# Altium PCB Carrier-Board-Apalis.PcbDoc (part 4 of 5)
Units mm, origin at the board's own origin, x right, y up, seen from the top; angles counter-clockwise.
Board outline 97 x 270 mm, 4 copper layers (Top Layer, VCC, GND, Bottom Layer), stack 1.62 mm thick; 326 components, 351 nets, 1611 pads, 935 vias.
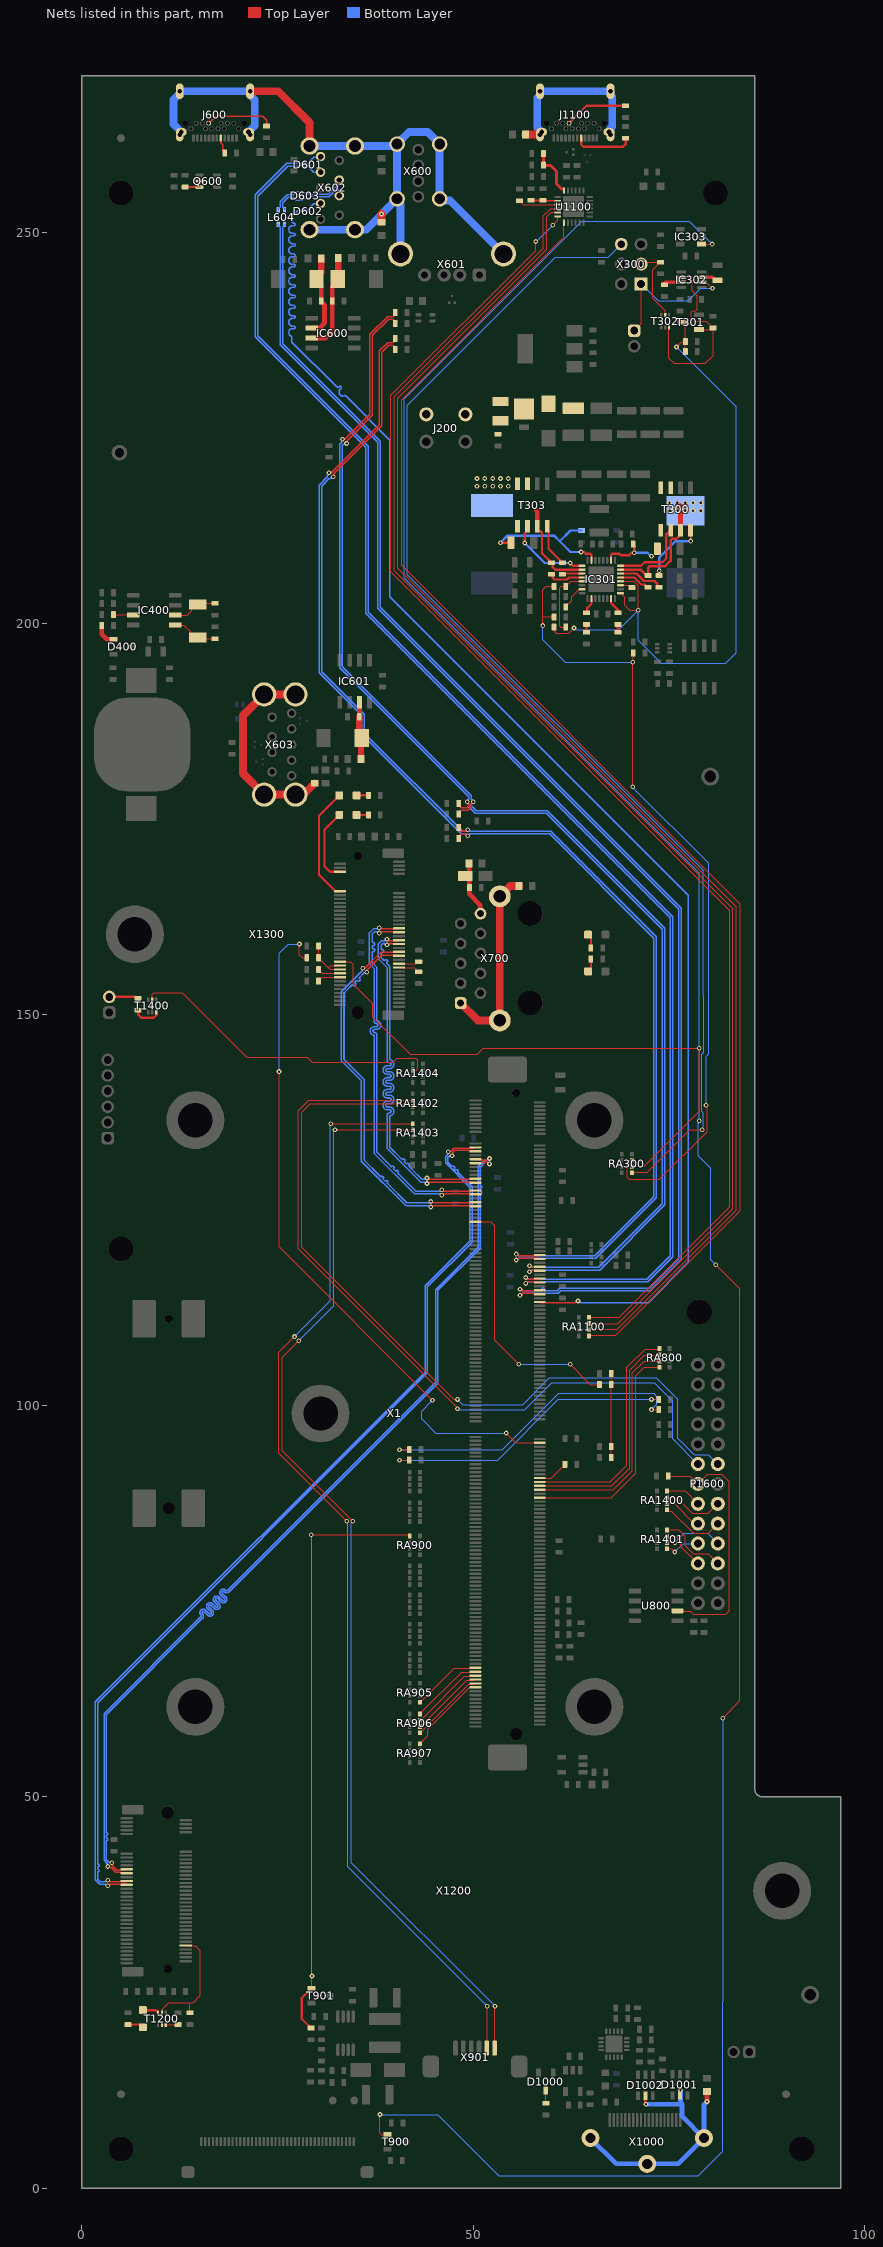
[diagram p6: the nets of this part, all layers, seen from the top]

## Via types
v1: diameter 0.6, hole 0.3, Top Layer to Bottom Layer, tented both sides, 818 vias
v2: diameter 0.6, hole 0.3, Top Layer to Bottom Layer, 117 vias

## Nets (pads, with @x,y where several pads share a name; then routed paths per layer and width w, separated by ;. In a path a pad name is that pad's centre, name@x,y a point inside that pad or via, vN(x,y) a via of type N, cw(c..) or ccw(c..) an arc to the next point about the centre after c; other vN are vias at no path point) (continued)
MXM3_291_M: RA905.1 X1.291 | length 8.9
  Top Layer w0.15: RA905.1@43.2,62.109 43.475,62.384 43.543,62.384 47.584,66.425 50.225,66.425 X1.291@50.3,66.5
MXM3_293_M: RA906.4 X1.293 | length 9.3
  Top Layer w0.15: RA906.4@43.2,60.6 48.525,65.925 50.225,65.925 X1.293@50.3,66
MXM3_295_M: RA906.3 X1.295 | length 9.5
  Top Layer w0.15: RA906.3@43.2,59.8 43.475,60.075 43.543,60.075 48.893,65.425 50.225,65.425 X1.295@50.3,65.5
MXM3_297_M: RA906.2 X1.297 | length 9.6
  Top Layer w0.15: RA906.2@43.2,59 43.475,59.275 43.543,59.275 49.193,64.925 50.225,64.925 X1.297@50.3,65
MXM3_299_M: RA906.1 X1.299 | length 9.7
  Top Layer w0.15: RA906.1@43.2,58.2 43.475,58.475 43.543,58.475 43.675,58.607 43.675,58.675 49.425,64.425 50.225,64.425 X1.299@50.3,64.5
MXM3_301_M: RA907.4 X1.301 | length 10.6
  Top Layer w0.15: RA907.4@43.2,56.8 44.2,57.8 44.2,58.618 49.582,64 X1.301@50.3,64
NetC305_1: C305.1 IC301.15 L300.1 T300.3 T300.7 T300.8 | length 16.6
  Top Layer w0.3: IC301.15@68.829,206.85 71.4,206.85 72.15,206.1 C305.1@72.374,206.1 72.374,207.124 72.55,207.3 74.544,207.3 75.244,208 75.244,210.624 75.42,210.8 76,210.8 76.364,211.164 76.364,211.75 T300.3@76.514,211.9
  Top Layer w0.6: v2(76.1,215.4) 76.514,214.986 T300.3@76.514,211.9
  other v2: 75.1,214.4 76.1,214.4 77.1,214.4 78.1,214.4 79.1,214.4 75.1,215.4 77.1,215.4 78.1,215.4 79.1,215.4
NetC305_2: C305.2 IC301.13 | length 4.1
  Top Layer w0.3: IC301.13@68.829,205.85 70.589,205.85 71.489,204.95 71.898,204.95 72.074,204.774 72.074,204.75 72.224,204.6 C305.2@72.374,204.6
NetC315_2: C315.2 R306.1 | length 1
  Top Layer w0.3: C315.2@68.5,198.85 R306.1@68.5,199.85
NetC319_1: C319.1 IC301.26 L301.1 T303.3 T303.7 T303.8 | length 12.1
  Top Layer w0.3: T303.3@58.214,212.4 58.214,211.9 58.364,211.75 58.624,211.75 58.8,211.574 58.8,208.95 C319.1@60,207.75 60.021,207.75 60.171,207.6 60.171,207.179 60.5,206.85 63.629,206.85 IC301.26@63.929,206.85
  Top Layer w0.6: 58.1,214.4 58.214,214.286 T303.3@58.214,212.4
  other v2: 50.5,217.5 51.5,217.5 52.5,217.5 53.5,217.5 54.5,217.5 50.5,218.5 51.5,218.5 52.5,218.5 53.5,218.5 54.5,218.5
NetC319_2: C319.2 IC301.28 | length 4.5
  Top Layer w0.3: C319.2@60,206.25 60.046,206.25 60.196,206.1 60.196,205.775 60.372,205.6 62,205.6 62.25,205.85 IC301.28@63.929,205.85
NetC320_2: C320.2 IC302.3 | length 2.1
  Top Layer w0.4: IC302.3@79.245,244.225 80.56,244.225 80.935,243.85 C320.2@81.235,243.85
NetC321_1: C321.1 IC302.7 | length 2.2
  Top Layer w0.4: C321.1@74.435,243.45 74.56,243.575 IC302.7@76.625,243.575
NetC326_2: C326.2 R318.1 | length 1
  Top Layer w0.3: C326.2@64.5,198.85 R318.1@64.5,199.85
NetC400_1: C400.1 IC400.1 OSC400.2 | length 5.9
  Top Layer w0.15: IC400.1@11.95,199.773 13.021,199.773 13.83,198.964 13.83,198.761 14.405,198.186 OSC400.2@14.82,198.186 14.97,198.036 C400.1@17.02,198.036
NetC401_1: C401.1 IC400.2 OSC400.1 | length 5.8
  Top Layer w0.15: IC400.2@11.95,201.043 13.477,201.043 14.033,201.599 14.033,201.811 14.608,202.386 OSC400.1@14.82,202.386 14.97,202.536 C401.1@17.02,202.536
NetC600_2: C600.2 C601.1 IC600.7 L602.1 | length 12.7
  Top Layer w0.6: IC600.7@29.386,236.46 31.122,236.46 32,237.338 C600.2@32,241.2 32,243.05 32.7,243.75 C601.1@32.7,244
  Top Layer w0.8: C601.1@32.7,244 32.77,244.07 L602.1@32.77,246.7
NetC603_2: C603.2 C604.1 IC600.6 L603.1 | length 10.8
  Top Layer w0.6: IC600.6@29.386,237.73 30.388,237.73 31,238.342 31,240.699 30.649,241.05 30.6,241.05 C603.2@30.6,241.2 30.6,243.4 C604.1@30,244
  Top Layer w0.8: C604.1@30,244 30,244.25 30.59,244.84 L603.1@30.59,246.6
NetC606_2: C606.2 C607.1 IC601.7 L607.1 | length 7.4
  Top Layer w0.6: C607.1@35.485,185.636 C607.1@35.771,185.35 ; C606.2@35.485,188.05 IC601.7@35.485,189.9
  Top Layer w0.8: C606.2@35.45,188.05 35.45,185.671 C607.1@35.485,185.636 ; L607.1@35.661,182.65 35.661,185.24 C607.1@35.771,185.35
NetC702_1: C702.1 C703.2 L700.2 X700.P10 | length 7
  Top Layer w0.6: L700.2@49.46,169.278 49.5,169.238 49.5,165.4 50.917,163.983 50.917,162.915 X700.P10@50.95,162.882
NetC1100_2: C1100.2 C1101.2 U1100.6 | length 6.2
  Top Layer w0.4: C1100.2@58.999,258.475 59.034,258.51 59.909,258.51 60.659,257.76 60.659,256.15 61.309,255.5 U1100.6@61.534,255.5 ; C1100.2@58.999,258.553 C1101.2@58.999,260.026
NetC1400_2: C1400.2 R1401.2 R1402.1 R1403.2 | length 10.7
  Top Layer w0.15: C1400.2@67.65,93.4 R1403.2@67.65,94.8 R1402.1@67.65,102.7 R1401.2@67.65,104.1
NetD201_1: D201.1 D202.1 F200.2 L200.1
NetD400_1: D400.1 R400.1 | length 2.9
  Top Layer w0.6: R400.1@2.55,199.7 2.55,198.586 3.186,197.95 D400.1@4.05,197.95
NetD700_C: D700.C R700.2 | length 1.7
  Top Layer w0.25: D700.C@64.7,155.5 65.05,155.85 R700.2@65.05,157.1
NetD701_C: D701.C R701.2 | length 1.8
  Top Layer w0.25: D701.C@64.7,160.2 65.05,159.85 R701.2@65.05,158.5
NetD1000_3: D1000.3 R1005.2 | length 1.6
  Top Layer w0.15: R1005.2@59.3,10.843 D1000.3@59.3,12.465
NetD1200_A: D1200.A R1200.2 | length 2
  Top Layer w0.3: R1200.2@5.895,20.9 7.45,20.9 D1200.A@7.8,20.55
NetD1300_A: D1300.A R1300.2 | length 1.5
  Top Layer w0.3: D1300.A@35.1,175.5 R1300.2@36.635,175.5
NetD1300_C: D1300.C X1300.6 | length 9.6
  Top Layer w0.3: D1300.C@32.9,175.5 31,173.6 31,168.948 31.7,168.248 32.329,168.248 32.331,168.25 X1300.6@33,168.25
NetD1301_A: D1301.A R1301.2 | length 1.5
  Top Layer w0.3: D1301.A@35.1,178 R1301.2@36.635,178
NetD1301_C: D1301.C X1300.16 | length 14.8
  Top Layer w0.3: D1301.C@32.9,178 30.3,175.4 30.3,167.85 32.375,165.775 32.375,165.75 X1300.16@33,165.75
NetIC301_2: IC301.2 R318.2 | length 2.1
  Top Layer w0.3: R318.2@64.5,201.35 64.574,201.424 64.574,201.924 65.129,202.479 IC301.2@65.129,203.15
NetIC301_7: IC301.7 R306.2 | length 2.2
  Top Layer w0.3: IC301.7@67.629,203.15 67.629,202.601 68.469,201.761 68.469,201.35 R306.2@68.5,201.35
NetIC301_11: IC301.11 R302.1 | length 1.6
  Top Layer w0.15: IC301.11@68.829,204.85 69.95,204.85 70.2,204.6 R302.1@70.35,204.6
NetIC301_14: IC301.14 R300.1 | length 5.9
  Top Layer w0.3: IC301.14@68.829,206.35 70.9,206.35 71.85,205.4 73.2,205.4 73.516,205.084 73.516,204.75 73.666,204.6 R300.1@73.774,204.6
NetIC301_16: IC301.16 T300.2 | length 10.1
  Top Layer w0.3: IC301.16@68.829,207.35 71.45,207.35 71.9,207.8 74.2,207.8 74.7,208.3 74.7,211.355 T300.2@75.244,211.9
NetIC301_18: IC301.18 R305.1 R308.1 T300.1 | length 7.5
  Top Layer w0.3: IC301.18@67.629,208.05 67.629,208.724 67.805,208.9 68.64,208.9 68.85,208.69 69.948,208.69 70.258,209 v1(70.589,209) 70.589,209.96 R308.1@70.45,210.1 ; R305.1@73.55,209.54 R305.1@73.6,209.49
  Bottom Layer w0.3: v1(70.589,209) 72.295,209 72.719,208.576 v1(72.8,208.576)
NetIC301_23: IC301.23 R317.1 R319.1 T303.1 | length 18.4
  Top Layer w0.3: v1(53.5,210.3) R317.1@54.85,210.3 ; v1(63.8,209.1) 64.2,209.1 64.403,208.897 64.954,208.897 65.129,208.722 IC301.23@65.129,208.05
  Bottom Layer w0.3: v1(53.5,210.3) 54.4,211.2 60.35,211.2 61.075,210.475 ; v1(63.8,209.1) 62.45,209.1 62.1,209.45 61.075,210.475 ; R319.1@63.879,211.85 62.45,211.85 61.075,210.475
NetIC301_25: IC301.25 T303.2 | length 10.8
  Top Layer w0.3: v1(56.6,210.25) 56.6,211.5 56.944,211.844 T303.2@56.944,212.4 ; v1(62.4,207.7) 62.75,207.35 IC301.25@63.929,207.35
  Bottom Layer w0.3: v1(56.6,210.25) 59.15,207.7 v1(62.4,207.7)
NetIC301_27: IC301.27 R312.1 | length 2.6
  Top Layer w0.3: R312.1@61.4,206.25 61.5,206.35 IC301.27@63.929,206.35
NetIC301_31: IC301.31 R303.2 | length 3.4
  Top Layer w0.15: R303.2@61.85,202.1 61.85,202.237 62.075,202.462 62.212,202.462 62.6,202.85 62.6,203.4 63.55,204.35 IC301.31@63.929,204.35
NetIC400_7: IC400.7 R405.1 | length 2.5
  Top Layer w0.15: R405.1@4.05,201.1 6.493,201.1 IC400.7@6.55,201.043
NetJ600_A5: J600.A5 R609.2 | length 2.1
  Top Layer w0.16: J600.A5@17.75,261.995 17.75,261.44 18.03,261.16 18.03,260.463 18.25,260.243 R609.2@18.25,260.1
NetJ600_B5: J600.B5 R610.2 | length 8.7
  Top Layer w0.16: J600.B5@16.2,263.9 17.1,264.8 23.1,264.8 23.6,264.3 R610.2@23.6,263.545
NetJ1100_A5: J1100.A5 R1105.2 | length 7.5
  Top Layer w0.3: J1100.A5@63.809,261.995 63.809,261.2 64.109,260.9 69.16,260.9 69.5,261.24 R1105.2@69.5,261.995
NetJ1100_B5: J1100.B5 R1106.2 | length 8.2
  Top Layer w0.3: J1100.B5@62.259,263.9 64.509,266.15 R1106.2@69.5,266.15
NetJ1100_S: J1100.S L1100.2 | length 22.6
  Top Layer w0.6: L1100.2@56.659,262.485 L1100.2@56.699,262.445
  Top Layer w1: L1100.2@56.659,262.485 58.249,262.485 58.559,262.795 J1100.S@58.759,262.795
  Bottom Layer w1: J1100.S@58.759,262.795 58.559,262.795 58.559,262.995 58.2,263.354 58.2,267.141 58.559,267.5 J1100.S@58.559,268 J1100.S@67.559,268 67.559,267.5 67.784,267.275 67.784,263.486 67.559,263.261 67.559,262.795 J1100.S@67.359,262.795
NetJ1400_2: J1400.2 R1400.2 | length 3.8
  Top Layer w0.3: J1400.2@3.5,152.25 6.842,152.25 7.042,152.05 R1400.2@7.192,152.05
NetQ600_5: Q600.5 Q600.6 R606.1 | length 2.6
  Top Layer w0.3: R606.1@13.2,255.75 Q600.6@15.05,255.75 Q600.5@15.05,256.5
NetR300_2: R300.2 T300.4 | length 8.6
  Top Layer w0.3: R300.2@73.774,206.1 73.787,206.113 73.787,206.687 v1(73.8,206.7) ; T300.4@77.784,211.9 77.784,210.516 v1(77.8,210.5)
  Bottom Layer w0.3: v1(73.8,206.7) 73.8,208.4 75.9,210.5 v1(77.8,210.5)
NetR312_2: R312.2 T303.4 | length 5.4
  Top Layer w0.3: T303.4@59.484,212.4 59.484,211.982 59.634,211.832 59.634,209.515 R312.2@61.4,207.75
NetR800_1: R800.1 X1.194 | length 4.1
  Top Layer w0.15: X1.194@58.5,90.75 60,90.75 61.388,92.138 61.525,92.138 61.75,92.363 R800.1@61.75,92.5
NetR803_2: R803.2 R1500.2 | length 37.6
  Top Layer w0.15: v1(40.6,93.04) R1500.2@41.85,93.04 ; v1(72.8,100.8) R803.2@73.735,100.8
  Bottom Layer w0.15: v1(40.6,93.04) 53.133,93.04 60.893,100.8 v1(72.8,100.8)
NetR804_2: R804.2 R1501.2 | length 40.2
  Top Layer w0.15: v1(40.6,94.37) R1501.2@41.85,94.37 ; v1(72.8,99.5) R804.2@73.72,99.5 R804.2@73.735,99.5
  Bottom Layer w0.15: v1(40.6,94.37) 53.744,94.37 60.938,101.564 73.095,101.564 73.5,101.16 73.5,100.2 v1(72.8,99.5)
NetR1100_1: R1100.1 R1101.2 U1100.8 | length 3.4
  Top Layer w0.25: R1101.2@57.418,254.05 R1100.1@58.918,254.05 58.968,254 U1100.8@60.809,254
NetR1102_1: R1102.1 U1100.9 | length 5.2
  Top Layer w0.15: R1102.1@55.918,254 56.055,254 56.28,253.775 56.28,253.638 56.418,253.5 U1100.9@60.809,253.5
NetR1304_2: R1304.2 X1300.53 | length 2.6
  Top Layer w0.15: X1300.53@40.55,156.5 42.65,156.5 42.9,156.75 R1304.2@43.05,156.75
NetR1400_1: R1400.1 T1400.6 | length 3.8
  Top Layer w0.3: R1400.1@7.192,150.55 7.192,149.976 7.6,149.568 9.168,149.568 9.5,149.9 T1400.6@9.5,150.51
NetRA800_1: RA800.1 X1.196 | length 29.7
  Top Layer w0.15: X1.196@58.5,90.25 67.522,90.25 69.635,92.363 69.635,104.886 71.974,107.225 73.74,107.225 RA800.1@73.815,107.3
NetRA800_2: RA800.2 X1.198 | length 29.6
  Top Layer w0.15: X1.198@58.5,89.75 67.729,89.75 69.989,92.009 69.989,104.533 71.881,106.425 73.74,106.425 RA800.2@73.815,106.5
NetRA800_3: RA800.3 X1.200 | length 29.5
  Top Layer w0.15: X1.200@58.5,89.25 67.936,89.25 70.342,91.656 70.342,104.179 71.863,105.7 RA800.3@73.815,105.7
NetRA800_4: RA800.4 X1.204 | length 29.5
  Top Layer w0.15: X1.204@58.5,88.25 67.686,88.25 70.8,91.364 70.8,103.8 71.9,104.9 RA800.4@73.815,104.9
PCIE1_CLK_N: X1.53 X1300.49 | length 49.6
  Top Layer w0.198: v1(36.4,155.407) 36.477,155.484 36.477,155.726 38.322,157.571 39.678,157.571 39.698,157.551 40.499,157.551 X1300.49@40.55,157.5 ; v1(44.6,126.1) 44.709,126.1 44.88,125.929 46.402,125.929 49.409,125.929 49.429,125.949 50.249,125.949 X1.53@50.3,126
  Bottom Layer w0.198: v1(36.4,155.407) 36.323,155.33 36.081,155.33 35.551,154.8 35.494,154.743 ccw(c35.577,154.66) 35.494,154.577 cw(c35.354,154.437) 35.494,154.297 cw(c35.354,154.437) 35.214,154.297 ccw(c35.131,154.214) 35.048,154.297 34.934,154.183 ccw(c35.017,154.1) 34.934,154.017 cw(c34.794,153.877) 34.934,153.737 cw(c34.794,153.877) 34.654,153.737 ccw(c34.571,153.654) 34.488,153.737 34.291,153.54 34.075,153.325 33.5,152.749 33.5,144.265 36.058,141.707 36.058,131.398 38.056,129.4 38.196,129.26 38.208,129.272 cw(c38.348,129.132) 38.488,129.272 cw(c38.348,129.132) 38.488,128.992 38.476,128.98 38.756,128.7 38.768,128.712 cw(c38.908,128.572) 39.048,128.712 cw(c38.908,128.572) 39.048,128.432 39.036,128.42 39.178,128.278 41.527,125.929 44.32,125.929 44.491,126.1 v1(44.6,126.1)
PCIE1_CLK_P: X1.55 X1300.47 | length 49.5
  Top Layer w0.198: v1(35.905,155.902) 35.982,155.979 36.224,155.979 38.174,157.929 39.678,157.929 39.698,157.949 40.499,157.949 X1300.47@40.55,158 ; v1(44.6,125.4) 44.709,125.4 44.88,125.571 46.253,125.571 49.409,125.571 49.429,125.551 50.249,125.551 X1.55@50.3,125.5
  Bottom Layer w0.198: v1(35.905,155.902) 35.828,155.825 35.828,155.583 33.142,152.897 33.142,144.117 35.7,141.559 35.7,131.25 41.379,125.571 44.32,125.571 44.491,125.4 v1(44.6,125.4)
PCIE1_RX_N: X1.41 X1300.43 | length 49.1
  Top Layer w0.198: v1(39,158.9) 39.109,158.9 39.28,159.071 39.678,159.071 39.698,159.051 40.499,159.051 X1300.43@40.55,159 ; v1(44.1,129.1) 44.209,129.1 44.38,128.929 49.409,128.929 49.429,128.949 50.249,128.949 X1.41@50.3,129
  Bottom Layer w0.198: v1(39,158.9) 38.891,158.9 38.72,159.071 38.435,159.071 38.258,158.894 38.258,158.5 38.258,158.42 ccw(c38.376,158.42) 38.376,158.302 cw(c38.376,158.104) 38.574,158.104 cw(c38.376,158.104) 38.376,157.906 ccw(c38.376,157.788) 38.258,157.788 38.258,157.51 38.258,157.242 38.3,157.2 38.5,157 38.557,156.943 ccw(c38.64,157.026) 38.723,156.943 cw(c38.863,156.803) 39.003,156.943 cw(c38.863,156.803) 39.003,156.663 ccw(c39.086,156.58) 39.003,156.497 39.15,156.35 39.358,156.142 39.358,144.201 cw(c39.318,143.646) 39.874,143.646 cw(c39.318,143.646) 39.318,143.09 39.04,143.09 ccw(c39.04,142.892) 39.04,142.694 39.318,142.694 cw(c39.318,142.138) 39.874,142.138 cw(c39.318,142.138) 39.318,141.582 39.04,141.582 ccw(c39.04,141.384) 39.04,141.186 39.318,141.186 cw(c39.318,140.63) 39.874,140.63 cw(c39.318,140.63) 39.318,140.074 39.04,140.074 ccw(c39.04,139.876) 39.04,139.678 39.318,139.678 cw(c39.318,139.122) 39.874,139.122 cw(c39.318,139.122) 39.318,138.566 39.04,138.566 ccw(c39.04,138.368) 39.04,138.17 39.318,138.17 cw(c39.318,137.614) 39.874,137.614 cw(c39.318,137.614) 39.358,137.06 39.358,133.04 40.8,131.598 40.94,131.458 40.952,131.471 cw(c41.092,131.331) 41.232,131.471 cw(c41.092,131.331) 41.232,131.191 41.22,131.178 41.5,130.898 41.512,130.911 cw(c41.652,130.771) 41.792,130.911 cw(c41.652,130.771) 41.792,130.631 41.78,130.618 42.06,130.338 42.2,130.198 43.469,128.929 43.82,128.929 43.991,129.1 v1(44.1,129.1)
PCIE1_RX_P: X1.43 X1300.41 | length 49.1
  Top Layer w0.198: v1(39,159.6) 39.109,159.6 39.28,159.429 39.678,159.429 39.698,159.449 40.499,159.449 X1300.41@40.55,159.5 ; v1(44.1,128.4) 44.209,128.4 44.38,128.571 49.409,128.571 49.429,128.551 50.249,128.551 X1.43@50.3,128.5
  Bottom Layer w0.198: v1(39,159.6) 38.891,159.6 38.72,159.429 38.287,159.429 37.9,159.042 37.9,157.094 39,155.994 39,144.162 ccw(c39.318,144.162) 39.318,143.844 cw(c39.318,143.646) 39.516,143.646 cw(c39.318,143.646) 39.318,143.448 39.04,143.448 ccw(c39.04,142.892) 39.04,142.336 39.318,142.336 cw(c39.318,142.138) 39.516,142.138 cw(c39.318,142.138) 39.318,141.94 39.04,141.94 ccw(c39.04,141.384) 39.04,140.828 39.318,140.828 cw(c39.318,140.63) 39.516,140.63 cw(c39.318,140.63) 39.318,140.432 39.04,140.432 ccw(c39.04,139.876) 39.04,139.32 39.318,139.32 cw(c39.318,139.122) 39.516,139.122 cw(c39.318,139.122) 39.318,138.924 39.04,138.924 ccw(c39.04,138.368) 39.04,137.812 39.318,137.812 cw(c39.318,137.614) 39.516,137.614 cw(c39.318,137.614) 39.318,137.416 ccw(c39.318,137.099) 39,137.099 39,132.892 43.321,128.571 43.82,128.571 43.991,128.4 v1(44.1,128.4)
PCIE1_SMCLK: R1307.2 X1300.60 | length 3
  Top Layer w0.15: R1307.2@30.25,154.25 30.25,154.387 30.475,154.612 30.612,154.612 30.75,154.75 X1300.60@33,154.75
PCIE1_SMDAT: R1306.2 X1300.58 | length 3
  Top Layer w0.15: R1306.2@30.25,155.75 30.25,155.613 30.475,155.388 30.612,155.388 30.75,155.25 X1300.58@33,155.25
PCIE1_TX_N: X1.47 X1300.37 | length 49.2
  Top Layer w0.198: v1(38,160.4) 38.109,160.4 38.28,160.571 38.818,160.571 39.678,160.571 39.698,160.551 40.499,160.551 X1300.37@40.55,160.5 ; v1(46,127.6) 46.109,127.6 46.28,127.429 49.409,127.429 49.429,127.449 50.249,127.449 X1.47@50.3,127.5
  Bottom Layer w0.198: v1(38,160.4) 37.891,160.4 37.72,160.571 37.403,160.571 37.1,160.268 37.1,159.4 37.1,159.32 ccw(c37.218,159.32) 37.218,159.202 cw(c37.218,159.004) 37.416,159.004 cw(c37.218,159.004) 37.218,158.806 ccw(c37.218,158.688) 37.1,158.688 37.1,158.528 ccw(c37.218,158.528) 37.218,158.41 cw(c37.218,158.212) 37.416,158.212 cw(c37.218,158.212) 37.218,158.014 ccw(c37.218,157.896) 37.1,157.896 37.1,157.618 37.1,157.5 37.1,156.609 37.7,156.009 37.7,149.199 cw(c37.644,148.646) 38.2,148.646 cw(c37.644,148.646) 37.644,148.09 37.398,148.09 ccw(c37.398,147.892) 37.398,147.694 cw(c37.398,147.392) 37.7,147.392 37.7,132.391 39.4,130.691 39.54,130.551 39.552,130.563 cw(c39.692,130.423) 39.832,130.563 cw(c39.692,130.423) 39.832,130.283 39.82,130.271 40.1,129.991 40.112,130.003 cw(c40.252,129.863) 40.392,130.003 cw(c40.252,129.863) 40.392,129.723 40.38,129.711 40.545,129.545 42.662,127.429 45.72,127.429 45.891,127.6 v1(46,127.6)
PCIE1_TX_P: X1.49 X1300.35 | length 49.1
  Top Layer w0.198: v1(38,161.1) 38.109,161.1 38.28,160.929 38.966,160.929 39.678,160.929 39.698,160.949 40.499,160.949 X1300.35@40.55,161 ; v1(46,126.9) 46.109,126.9 46.28,127.071 49.409,127.071 49.429,127.051 50.249,127.051 X1.49@50.3,127
  Bottom Layer w0.198: v1(38,161.1) 37.891,161.1 37.72,160.929 37.255,160.929 36.742,160.416 36.742,156.461 37.342,155.861 37.342,149.146 ccw(c37.644,149.146) 37.644,148.844 cw(c37.644,148.646) 37.842,148.646 cw(c37.644,148.646) 37.644,148.448 37.398,148.448 ccw(c37.398,147.892) 37.342,147.339 37.342,132.242 42.513,127.071 45.72,127.071 45.891,126.9 v1(46,126.9)
PCIE1_WAKE#: R1305.2 X1300.55 | length 2.8
  Top Layer w0.15: X1300.55@40.55,156 42.5,156 42.688,155.812 42.688,155.675 42.913,155.45 R1305.2@43.05,155.45
PCIE1_WDISABLE#: R1302.1 R1303.1 X1300.54 X1300.56 | length 6.6
  Top Layer w0.15: R1302.1@30.25,158.75 R1303.1@30.25,157.25 30.25,157.113 30.475,156.888 30.612,156.888 31.5,156 ; X1300.56@33,155.75 31.75,155.75 31.5,156 ; X1300.54@33,156.25 31.75,156.25 31.5,156
PCIE1_WDISABLE#_R: R1303.2 X1.176 | length 90.1
  Top Layer w0.125: v1(25.2,142.7) 25.2,120.3 v1(44.8,100.7) ; v1(27.8,159) 27.8,157.65 28.2,157.25 R1303.2@28.75,157.25 ; v1(54.227,96.5) 54.227,96.473 55.45,95.25 X1.176@58.5,95.25
  Bottom Layer w0.125: v1(25.2,142.7) 25.2,157.8 26.4,159 v1(27.8,159) ; v1(44.8,100.7) 44.8,100.679 43.421,99.3 43.421,98.3 45.221,96.5 v1(54.227,96.5)
PMIC_EN: C313.2 IC301.9 IC301.12 R304.2 R310.1 T301.3 | length 88.1
  Top Layer w0.15: R310.1@60.35,199.5 60.437,199.413 60.437,198.913 60.65,198.7 62.2,198.7 v1(62.9,199.4) ; IC301.9@68.829,203.85 69.036,203.85 69.105,203.78 69.105,203.595 69.4,203.3 69.4,202.3 70.024,201.676 v1(71.1,201.676) 71.1,204.784 70.534,205.35 IC301.12@68.829,205.35 ; v1(76,235.3) 76.685,235.985 R304.2@77.135,235.985 ; C313.2@77.135,234.735 R304.2@77.135,235.985 ; T301.3@77.135,238.484 R304.2@77.135,235.985
  Top Layer w0.6: T301.3@76.785,238.484 T301.3@77.135,238.484
  Bottom Layer w0.15: v1(62.9,199.4) 63.1,199.2 68.624,199.2 v1(71.1,201.676) 71.1,197.825 74.031,194.894 82.269,194.894 83.6,196.225 83.6,227.7 v1(76,235.3)
PMIC_EN_5V: IC301.29 R310.2 R311.2 | length 9
  Top Layer w0.15: R310.2@61.85,199.5 61.19,199.5 61.1,199.59 61.1,204.54 61.26,204.7 R311.2@61.85,204.7 61.85,204.837 62.075,205.062 62.212,205.062 62.5,205.35 IC301.29@63.929,205.35
POWER_ENABLE_MOCI: R311.1 R323.1 R326.2 RA300.6 | length 103.2
  Top Layer w0.15: v1(58.9,199.7) 58.9,200.8 ; R326.2@60.35,200.8 58.9,200.8 ; R311.1@60.35,204.7 60.3,204.75 59.35,204.75 58.9,204.3 58.9,200.8 ; RA300.6@70.375,131.426 RA300.6@70.3,131.351 70.262,131.313 69.913,131.313 69.7,131.1 69.7,129.194 69.979,128.915 73.815,128.915 79.9,135 79.9,138.087 79.861,138.126 79.861,138.276 v1@79.775,138.362 ; v1(70.4,179.1) v1(70.4,195) 70.471,195.071 R323.1@70.471,196.21
  Bottom Layer w0.15: v1(58.9,199.7) 58.9,197.9 61.8,195 v1(70.4,195) ; v1(70.4,179.1) 70.4,178.999 80.1,169.299 80.1,145 79.775,144.675 v1(79.775,138.4)
PS_A12V_EN: P1600.15 RA1400.5 | length 4.6
  Top Layer w0.15: RA1400.5@74.8,89.1 77.09,89.1 P1600.15@78.73,87.46
PS_A+3.3V_EN: P1600.16 RA1400.6 | length 7.8
  Top Layer w0.15: RA1400.6@74.8,88.3 75.955,88.3 78.005,86.25 80.06,86.25 P1600.16@81.27,87.46
PS_A+3.3V_PG: P1600.21 RA1401.6 | length 5.8
  Top Layer w0.15: RA1401.6@74.8,83.321 75.929,83.321 76.53,82.72 76.53,82 78.69,79.84 P1600.21@78.73,79.84
PS_A+5V_EN: P1600.17 RA1400.7 | length 5
  Top Layer w0.15: RA1400.7@74.8,87.5 75.7,87.5 78.28,84.92 P1600.17@78.73,84.92
PS_A+5V_PG: P1600.20 RA1401.7 | length 7.5
  Top Layer w0.15: RA1401.7@74.8,82.521 75.779,82.521 v1(75.8,82.5)
  Bottom Layer w0.15: v1(75.8,82.5) 76.979,83.679 79.971,83.679 P1600.20@81.27,82.38
PS_A+12V_PG: P1600.18 RA1400.8 | length 8.2
  Top Layer w0.15: RA1400.8@74.8,86.7 74.975,86.525 75.348,86.525 78.174,83.699 80.049,83.699 P1600.18@81.27,84.92
PS_A-12V_PG: P1600.19 RA1401.8 | length 4.5
  Top Layer w0.15: RA1401.8@74.8,81.721 75.362,81.721 v1(75.779,81.304)
  Bottom Layer w0.15: v1(75.779,81.304) 76.855,82.38 P1600.19@78.73,82.38
PS_D+3.3V_PG: P1600.22 RA1401.5 | length 9
  Top Layer w0.15: RA1401.5@74.8,84.121 76.29,84.121 77.09,83.321 77.09,82.109 78.149,81.05 80.06,81.05 P1600.22@81.27,79.84
PS_ON: RA1404.2 T1400.2 | length 40.3
  Top Layer w0.15: T1400.2@9,152.09 9,152.568 9.232,152.8 12.8,152.8 21.1,144.5 28.819,144.5 29.419,143.9 39.8,143.9 40.3,144.4 42.676,144.4 42.926,144.15 42.926,143.1 42.726,142.9 RA1404.2@42.28,142.9
PWM_BKL1: R908.1 RA900.8 T901.1 | length 77
  Top Layer w0.15: v1(29.3,83.5) 41.75,83.5 RA900.8@41.9,83.35 ; T901.1@29.35,25.555 29.35,27.05 v1(29.4,27.1)
  Top Layer w0.3: R908.1@29.3,20.455 29.15,20.455 29,20.605 29,20.755 28.1,21.655 28.1,24.305 29,25.205 29,25.405 29.15,25.555 T901.1@29.35,25.555
  Bottom Layer w0.15: v1(29.3,83.5) 29.386,83.414 29.386,83.201 29.4,83.187 v1(29.4,27.1)
PWR_BTN#: IC302.2 J300.1 X300.1 | length 18.7
  Top Layer w0.15: J300.1@70.59,237.4 71.475,238.284 X300.1@71.475,243.36 ; IC302.2@79.245,243.575 79.369,243.451 79.949,243.451 v1(80.6,242.8)
  Bottom Layer w0.15: X300.1@71.475,243.36 73.635,241.2 77.5,241.2 79.1,242.8 v1(80.6,242.8)
PWR_CTRL: R309.2 T302.2 X300.3 | length 10.3
  Top Layer w0.15: X300.3@71.475,245.9 71.725,246.15 R309.2@73.798,246.15 ; R309.2@73.935,246.15 R309.2@73.798,246.15 ; T302.2@74.535,239.39 74.535,239.965 72.96,241.54 72.96,245.175 73.573,245.788 73.573,245.925 R309.2@73.798,246.15
PWR_EN#: IC302.6 R307.1 T301.1 T302.6 | length 26.2
  Top Layer w0.15: T302.6@75.035,237.81 75.035,233.865 75.7,233.2 79.7,233.2 80.685,234.185 R307.1@80.685,237.734 ; IC302.6@76.625,244.225 77.529,244.225 78,243.754 78,242.5 78.65,241.85 78.65,240.15 78.465,239.965 78.3,239.965 78.294,239.959 78.142,239.959 77.9,239.718 77.9,238.9 78.2,238.6 79.819,238.6 80.323,238.097 80.323,237.959 80.548,237.734 R307.1@80.685,237.734 ; T301.1@78.885,237.534 80.485,237.534 R307.1@80.685,237.734
PWR_IN: C200.2 F200.1 J200.1
RECOVERY_MODE#: R1402.2 X1.63 | length 33
  Top Layer w0.15: X1.63@50.3,123.5 52.25,123.5 52.75,123 52.75,108.378 v1(55.828,105.3) ; v1(62.4,105.3) 65,102.7 R1402.2@66.15,102.7
  Bottom Layer w0.15: v1(55.828,105.3) v1(62.4,105.3)
REF_CLK: P1600.13 R805.1 U800.2 | length 32.6
  Top Layer w0.15: R805.1@74.95,91 77.73,91 P1600.13@78.73,90 79.98,91.25 81.75,91.25 82.75,90.25 82.75,73.785 82.3,73.335 78.145,73.335 77.73,73.75 76.12,73.75 U800.2@76.1,73.77
REF_CLK_EN_1: P1600.11 RA1402.7 | length 101
  Top Layer w0.15: RA1402.7@42.28,139.05 29.014,139.05 27.65,137.686 27.65,120.054 48,99.704 v1(48,99.602)
  Bottom Layer w0.15: v1(48,99.602) 48.102,99.5 56.619,99.5 60.019,102.9 73.164,102.9 75.5,100.564 75.5,95.77 P1600.11@78.73,92.54
REF_CLK_EN_2: P1600.12 RA1402.6 | length 102.4
  Top Layer w0.15: RA1402.6@42.28,138.25 41.955,138.25 41.605,138.6 29.2,138.6 28.1,137.5 28.1,120.241 47.541,100.8 v1(48,100.8)
  Bottom Layer w0.15: v1(48,100.8) 48.65,100.15 56.35,100.15 59.75,103.55 73.434,103.55 76.15,100.834 76.15,95.85 78.25,93.75 80.06,93.75 P1600.12@81.27,92.54
RESET_MICO#: RA300.8 X300.6 | length 155.7
  Top Layer w0.15: RA300.8@70.3,129.751 70.375,129.826 72.231,129.826 77.667,135.262 v1(79.3,135.262)
  Bottom Layer w0.15: X300.6@68.935,248.44 67.295,246.8 60.518,246.8 41.59,227.872 41.59,206.21 79.4,168.4 79.4,152.5 79.5,152.4 79.5,145.2 79.2,144.9 79.2,137.6 79.4,137.4 79.4,137.325 79.425,137.3 79.425,135.575 79.386,135.536 79.386,135.348 v1(79.3,135.262)
RESET_MOCI#: IC303.1 RA300.7 T900.1 X1300.52 | length 419.1
  Top Layer w0.15: X1300.52@33,156.75 34.321,156.75 34.671,156.4 34.671,153.876 37.2,151.347 37.2,149.638 41.938,144.9 50.5,144.9 51.3,145.7 v1(78.885,145.7) 78.885,137.611 71.9,130.626 70.375,130.626 RA300.7@70.3,130.551 ; v1(38.1,9.4) 38.075,9.375 38.075,7.049 38.274,6.85 T900.1@39.05,6.85 ; IC303.1@79.185,248.46 v1(80.56,248.46) ; v1(81,118) 81.037,118 84.1,114.938 84.1,62.26 v1(81.9,60.06)
  Bottom Layer w0.15: v1(38.1,9.4) 45.5,9.4 53.3,1.6 78.8,1.6 81.9,4.7 81.9,23.8 v1(81.9,60.06) ; v1(80.56,248.46) 77.62,251.4 63.91,251.4 41.2,228.69 41.2,205.771 78.9,168.071 v1(78.9,136.4) 78.814,136.314 78.814,136.126 78.775,136.087 78.775,131.94 80.4,130.315 80.4,118.637 81,118.037 v1(81,118)
SATA1_mSATA_ACT: R1201.2 T1200.2 T1200.3 | length 2.1
  Top Layer w0.15: T1200.2@10.23,20.86 T1200.3@10.73,20.86 12.26,20.86 R1201.2@12.3,20.9
SATA1_mSATA_ACT#: R1202.1 T1200.5 X1200.10 | length 15.2
  Top Layer w0.15: T1200.5@10.23,22.44 10.262,22.471 10.262,22.862 11.1,23.7 13.8,23.7 ; X1200.10@13.275,31 14.5,31 15.147,30.353 15.147,24.647 14.2,23.7 13.8,23.7 ; R1202.1@13.8,22.4 13.8,23.7
SATA1_mSATA_ACT_LED: D1200.C T1200.6 | length 2.1
  Top Layer w0.3: D1200.C@7.8,22.75 9.42,22.75 9.595,22.575 9.73,22.575 T1200.6@9.73,22.44
SATA1_RX_N: X1.27 X1200.43 | length 122.5
  Top Layer w0.165: v1(3.305,39.35) 3.404,39.35 3.619,39.135 4.879,39.135 4.926,39.182 5.658,39.182 X1200.43@5.725,39.25 ; v1(47.3,131.947) 47.37,132.017 47.37,132.321 47.664,132.615 49.435,132.615 49.482,132.567 50.233,132.567 X1.27@50.3,132.5
  Bottom Layer w0.165: v1(3.305,39.35) 3.206,39.35 2.991,39.135 2.365,39.135 2,39.5 2,39.9 2,40.066 2,40.366 cw(c2.034,40.366) 2.034,40.399 ccw(c2.034,40.566) 2.2,40.566 ccw(c2.034,40.566) 2.034,40.732 cw(c2.034,40.766) 2,40.766 2,41.032 cw(c2.034,41.032) 2.034,41.065 ccw(c2.034,41.232) 2.2,41.232 ccw(c2.034,41.232) 2.034,41.398 cw(c2.034,41.432) 2,41.432 2,41.731 2,41.8 2,41.966 2,42.1 2,62.018 44.17,104.188 44.17,115.188 49.87,120.888 49.87,128.004 48.537,129.337 48.287,129.587 48.26,129.615 48.048,129.826 cw(c48.072,129.85) 48.048,129.874 ccw(c47.93,129.992) 48.048,130.109 ccw(c47.93,129.992) 47.812,130.109 cw(c47.789,130.133) 47.765,130.109 47.577,130.297 cw(c47.601,130.321) 47.577,130.345 ccw(c47.459,130.462) 47.577,130.58 ccw(c47.459,130.462) 47.341,130.58 cw(c47.318,130.604) 47.294,130.58 47.2,130.674 47.1,130.774 46.747,131.128 46.747,131.698 46.926,131.877 47.23,131.877 v1(47.3,131.947)
SATA1_RX_P: X1.25 X1200.41 | length 122.5
  Top Layer w0.165: v1(3.305,38.65) 3.404,38.65 3.619,38.865 4.879,38.865 4.926,38.818 5.658,38.818 X1200.41@5.725,38.75 ; v1(46.805,132.442) 46.875,132.512 47.179,132.512 47.552,132.885 49.435,132.885 49.482,132.932 50.233,132.932 X1.25@50.3,133
  Bottom Layer w0.165: v1(3.305,38.65) 3.206,38.65 2.991,38.865 2.253,38.865 1.73,39.388 1.73,62.13 43.9,104.3 43.9,115.3 49.6,121 49.6,127.892 46.477,131.016 46.477,131.81 46.735,132.068 46.735,132.372 v1(46.805,132.442)
SATA1_TX_N: X1.31 X1200.47 | length 122.4
  Top Layer w0.165: v1(3.305,41.098) 3.375,41.028 3.679,41.028 4.342,40.365 4.879,40.365 4.926,40.318 5.658,40.318 X1200.47@5.725,40.25 ; X1.31@50.3,131.5 50.368,131.432 51.118,131.432 51.165,131.385 51.786,131.385 52.001,131.6 v1(52.1,131.6)
  Bottom Layer w0.165: v1(3.305,41.098) 3.235,41.168 3.235,41.472 2.83,41.877 2.83,60.612 15.211,72.993 ccw(c15.096,73.109) 15.259,73.109 ccw(c15.096,73.109) 15.211,73.224 cw(c15.52,73.533) 15.211,73.842 cw(c15.52,73.533) 15.828,73.842 16.251,73.419 ccw(c16.368,73.537) 16.486,73.419 ; 16.486,73.419 ccw(c16.368,73.537) 16.535,73.537 ccw(c16.368,73.537) 16.486,73.655 16.064,74.077 cw(c16.373,74.386) 16.064,74.694 cw(c16.373,74.386) 16.681,74.694 17.103,74.272 ccw(c17.221,74.39) 17.338,74.272 ; 17.339,74.272 ccw(c17.221,74.39) 17.388,74.39 ccw(c17.221,74.39) 17.339,74.508 16.917,74.93 cw(c17.225,75.238) 16.917,75.547 cw(c17.225,75.238) 17.534,75.547 17.956,75.125 ccw(c18.074,75.243) 18.191,75.124 ccw(c18.074,75.243) 18.24,75.243 ccw(c18.074,75.243) 18.192,75.36 17.769,75.782 cw(c18.078,76.091) 17.769,76.4 cw(c18.078,76.091) 18.387,76.4 ccw(c18.502,76.515) 18.618,76.4 45.221,103.003 45.221,114.838 50.63,120.247 50.63,130.612 51.403,131.385 51.786,131.385 52.001,131.6 v1(52.1,131.6)
SATA1_TX_P: X1.33 X1200.49 | length 122.4
  Top Layer w0.165: v1(3.8,41.593) 3.87,41.523 3.87,41.219 4.454,40.635 4.879,40.635 4.926,40.682 5.658,40.682 X1200.49@5.725,40.75 ; X1.33@50.3,131 50.368,131.067 51.118,131.067 51.165,131.115 51.786,131.115 52.001,130.9 v1(52.1,130.9)
  Bottom Layer w0.165: v1(3.8,41.593) 3.73,41.663 3.426,41.663 3.1,41.989 3.1,42.4 3.1,42.566 3.1,42.899 3.1,43.232 3.1,43.4 3.1,43.9 3.1,44.067 3.1,44.366 cw(c3.133,44.366) 3.133,44.399 ccw(c3.133,44.566) 3.3,44.566 ccw(c3.133,44.566) 3.133,44.732 cw(c3.133,44.766) 3.1,44.766 3.1,45.032 cw(c3.133,45.032) 3.133,45.065 ccw(c3.133,45.232) 3.3,45.232 ccw(c3.133,45.232) 3.133,45.398 cw(c3.133,45.432) 3.1,45.432 3.1,45.731 3.1,45.8 3.1,60.5 15.402,72.802 ccw(c15.096,73.109) 15.529,73.109 ccw(c15.096,73.109) 15.402,73.415 cw(c15.52,73.533) 15.402,73.651 cw(c15.52,73.533) 15.638,73.651 16.06,73.228 ccw(c16.368,73.537) 16.677,73.228 ccw(c16.368,73.537) 16.805,73.537 ccw(c16.368,73.537) 16.677,73.846 16.255,74.268 cw(c16.373,74.386) 16.254,74.503 cw(c16.373,74.386) 16.49,74.503 16.912,74.081 ccw(c17.221,74.39) 17.53,74.081 ccw(c17.221,74.39) 17.658,74.39 ccw(c17.221,74.39) 17.53,74.698 17.108,75.121 cw(c17.225,75.238) 17.108,75.356 cw(c17.225,75.238) 17.343,75.356 17.765,74.934 ccw(c18.074,75.243) 18.382,74.934 ccw(c18.074,75.243) 18.51,75.243 ccw(c18.074,75.243) 18.382,75.551 17.96,75.973 cw(c18.078,76.091) 17.96,76.208 ; 17.96,76.209 cw(c18.078,76.091) 18.196,76.209 ccw(c18.502,76.515) 18.809,76.209 45.491,102.891 45.491,114.726 50.9,120.135 50.9,126.5 50.9,126.769 50.9,127.068 cw(c50.933,127.068) 50.933,127.102 ccw(c50.933,127.268) 51.1,127.268 ccw(c50.933,127.268) 50.933,127.435 cw(c50.933,127.468) 50.9,127.468 50.9,127.734 cw(c50.933,127.734) 50.933,127.768 ccw(c50.933,127.934) 51.1,127.934 ccw(c50.933,127.934) 50.933,128.101 cw(c50.933,128.134) 50.9,128.134 50.9,128.433 50.9,128.6 50.9,128.835 50.9,129.168 50.9,129.501 50.9,129.833 50.9,130 50.9,130.5 51.515,131.115 51.786,131.115 52.001,130.9 v1(52.1,130.9)
SHIELD1: J600.S L202.2 X600.S1 X600.S2 X600.S3 X600.S4 X601.S1 X601.S2 X602.S1 X602.S2 X602.S3 X602.S4 | length 96.3
  Top Layer w1: J600.S@21.5,268 25.1,268 29.1,264 X602.S2@29.1,261 ; L202.2@38.3,251.34 v1(38.3,252.3)
  Bottom Layer w1: J600.S@12.7,262.795 12.5,262.795 12.5,262.995 11.7,263.795 11.7,266.914 12.286,267.5 12.5,267.5 J600.S@12.5,268 J600.S@21.5,268 21.5,267.5 21.514,267.5 22.1,266.914 22.1,263.595 21.5,262.995 21.5,262.795 J600.S@21.3,262.795 ; X602.S3@29.1,250.3 X602.S4@34.9,250.3 36.34,250.3 X600.S2@40.28,254.24 40.28,260.489 X600.S1@39.905,260.865 ; X602.S2@29.1,261 X602.S1@34.9,261 X600.S1@39.769,261 ; X600.S2@40.28,253.969 40.73,253.519 X601.S2@40.73,247.21 ; X600.S1@40.28,261.24 41.84,262.8 44.16,262.8 X600.S4@45.72,261.24 X600.S3@45.72,254.24 45.911,254.049 47.031,254.049 X601.S1@53.87,247.21
SHIELD2: L203.2 X603.S1 X603.S2 X603.S3 X603.S4 | length 26.2
  Top Layer w1: X603.S1@23.22,178.42 X603.S1@23.3,178.5 ; X603.S3@27.3,190.9 X603.S4@23.3,190.9 20.6,188.2 20.6,180.8 X603.S1@23.3,178.1 X603.S2@27.3,178.1 27.664,178.464 28.654,178.464 L203.2@29.75,179.56
SHIELD3: D1001.2 D1002.2 L204.2 X1000.S1 X1000.S2 X1000.S3 | length 36.4
  Top Layer w0.3: D1002.2@72.01,11.8 72.011,11.798 72.011,10.87 72.1,10.781 v1(72.1,10.7)
  Top Layer w0.6: v1(79.9,11.065) L204.2@79.9,12.36
  Bottom Layer w0.6: X1000.S1@65,6.4 68.3,3.1 X1000.S2@72.25,3.1 76.2,3.1 X1000.S3@79.5,6.4 ; v1(72.1,10.7) 76.7,10.7 ; v1(76.5,12.505) 76.5,10.9 76.7,10.7 ; v1(79.9,11.065) 79.5,10.665 X1000.S3@79.5,6.4 ; 76.7,10.7 76.7,9.2 X1000.S3@79.5,6.4
SHIELD4: L205.2 X700.P1 X700.S1 X700.S2 | length 24.8
  Top Layer w1: X700.P1@48.41,151.452 50.62,149.242 X700.S1@53.41,149.242 X700.S2@53.41,165.092 54.718,166.4 L205.2@55.874,166.4
TOUCH_INT#: RA1403.8 X901.5 | length 142.5
  Top Layer w0.15: v1(27.17,108.83) 25.15,106.811 25.15,93.91 v1(33.85,85.21) ; v1(31.8,136.05) RA1403.8@42.28,136.05 ; X901.5@51.75,17.9 51.75,18.925 51.8,18.975 v1(51.8,23.25)
  Bottom Layer w0.15: v1(27.17,108.83) 31.75,113.411 31.75,136.1 v1(31.8,136.05) ; v1(33.85,85.21) 34,85.06 34,41.05 v1(51.8,23.25)
TOUCH_RESET#: RA1403.7 X901.6 | length 141.5
  Top Layer w0.15: v1(27.7,108.3) 25.6,106.2 25.6,94.21 v1(34.6,85.21) ; v1(32.35,135.262) 32.362,135.25 RA1403.7@42.28,135.25 ; X901.6@52.75,17.9 52.75,23.2 v1(52.8,23.25)
  Bottom Layer w0.15: v1(27.7,108.3) 32.2,112.8 32.2,135.112 v1(32.35,135.262) ; v1(34.6,85.21) 34.45,85.06 34.45,41.6 v1(52.8,23.25)
UART1_CTS: RA1100.7 U1100.11 | length 179.5
  Top Layer w0.15: U1100.11@60.809,252.5 60.009,252.5 59.443,251.934 59.443,247.805 40.4,228.762 40.4,207 83.65,163.75 83.65,125.006 68.419,109.775 64.875,109.775 RA1100.7@64.8,109.7
UART1_RTS: RA1100.6 U1100.10 | length 179.4
  Top Layer w0.15: U1100.10@60.809,253 59.909,253 58.959,252.05 58.959,247.957 39.95,228.948 39.95,206.74 83.2,163.49 83.2,125.193 68.507,110.5 RA1100.6@64.8,110.5
UART1_RXD: RA1100.8 U1100.13 | length 178.8
  Top Layer w0.15: U1100.13@61.609,251.2 61.609,249.334 40.85,228.575 40.85,207.4 84.1,164.15 84.1,124.82 68.255,108.975 64.875,108.975 RA1100.8@64.8,108.9
UART1_TXD: RA1100.5 U1100.12 | length 177.2
  Top Layer w0.15: v1(58,248.782) 58,247.634 39.5,229.134 39.5,206.561 82.75,163.311 82.75,125.379 68.671,111.3 RA1100.5@64.8,111.3 ; v1(60.159,250.85) 60.809,251.5 U1100.12@60.809,252
  Bottom Layer w0.15: v1@58.045,248.736 v1(60.159,250.85)
USBH2_D_N: R600.1 R1308.1 X1.82 | length 164.3
  Top Layer w0.165: v1(32.116,218.716) 32.188,218.788 32.188,219.088 38.325,225.225 38.325,234.662 39.2,235.538 39.736,235.538 39.832,235.441 39.832,235.218 R600.1@40.05,235 ; R1308.1@48.15,173.9 48.368,173.682 48.368,173.473 48.447,173.394 48.986,173.394 49.198,173.606 v1(49.3,173.606) ; v1(55.5,118.625) 55.602,118.625 55.814,118.837 57.281,118.837 57.736,118.837 57.756,118.817 58.432,118.817 X1.82@58.5,118.75
  Bottom Layer w0.165: v1(32.116,218.716) 31.999,218.716 31.748,218.465 31.565,218.465 30.633,217.533 30.633,193.827 36.1,188.36 36.1,185.944 48.65,173.394 48.986,173.394 49.198,173.606 v1(49.3,173.606) 49.402,173.606 49.614,173.394 59.93,173.394 73.42,159.903 73.42,126.561 65.697,118.837 55.814,118.837 55.602,118.625 v1(55.5,118.625)
USBH2_D_P: R601.1 R1309.1 X1.80 | length 164.3
  Top Layer w0.165: v1(31.586,219.246) 31.658,219.318 31.958,219.318 38,225.36 38,234.797 39.065,235.862 39.736,235.862 39.832,235.959 39.832,236.182 R601.1@40.05,236.4 ; R1309.1@48.15,172.5 48.368,172.718 48.368,172.941 48.495,173.069 48.986,173.069 49.198,172.856 v1(49.3,172.856) ; v1(55.5,119.375) 55.602,119.375 55.814,119.162 57.146,119.162 57.736,119.162 57.756,119.182 58.432,119.182 X1.80@58.5,119.25
  Bottom Layer w0.165: v1(31.586,219.246) 31.586,219.128 31.336,218.878 31.336,218.695 30.308,217.667 30.308,193.692 35.775,188.225 35.775,185.809 48.515,173.069 48.986,173.069 49.198,172.856 v1(49.3,172.856) 49.402,172.856 49.614,173.069 59.795,173.069 73.095,159.769 73.095,126.695 65.562,119.162 55.814,119.162 55.602,119.375 v1(55.5,119.375)
USBH3_D_N: R602.1 R1310.1 X1.88 | length 164.7
  Top Layer w0.165: v1(33.83,222.97) 33.902,223.042 33.902,223.342 37.14,226.58 37.14,236.777 39.2,238.838 39.736,238.838 39.832,238.741 39.832,238.517 R602.1@40.05,238.3 ; R1310.1@48.15,175.6 48.368,175.817 48.368,176.016 48.464,176.113 49.382,176.113 49.787,176.518 49.787,176.886 50,177.098 v1(50,177.2) ; v1(57.2,117.125) 57.29,117.125 57.503,117.337 57.736,117.337 57.756,117.317 58.432,117.317 X1.88@58.5,117.25
  Bottom Layer w0.165: v1(33.83,222.97) 33.758,222.898 33.458,222.898 33.293,222.733 33.293,194.467 49.788,177.972 49.788,177.514 50,177.302 v1(50,177.2) 50,177.098 49.788,176.886 49.788,176.653 50.404,176.036 59.464,176.036 74.5,161 74.5,125.673 66.165,117.337 57.514,117.337 57.302,117.125 v1(57.2,117.125)
USBH3_D_P: R603.1 R1311.1 X1.86 | length 164.2
  Top Layer w0.165: v1(33.3,223.5) 33.372,223.572 33.672,223.572 36.815,226.714 36.815,236.912 39.065,239.162 39.736,239.162 39.832,239.259 39.832,239.483 R603.1@40.05,239.7 ; R1311.1@48.15,176.95 48.368,176.732 48.368,176.534 48.464,176.437 49.247,176.437 49.463,176.653 49.463,176.886 49.25,177.098 v1(49.25,177.2) ; v1(57.2,117.875) 57.29,117.875 57.503,117.662 57.736,117.662 57.756,117.682 58.432,117.682 X1.86@58.5,117.75
  Bottom Layer w0.165: v1(33.3,223.5) 33.228,223.428 33.228,223.128 32.968,222.867 32.968,194.332 49.463,177.837 49.463,177.514 49.25,177.302 v1(49.25,177.2) 49.25,177.098 49.463,176.886 49.463,176.518 50.269,175.711 59.329,175.711 74.175,160.865 74.175,125.807 66.03,117.662 57.514,117.662 57.302,117.875 v1(57.2,117.875)
USBH4_D_CON_N: D603.2 L604.4 X602.2 | length 10
  Bottom Layer w0.165: L604.4@25.759,253.093 25.662,253.189 25.662,253.73 26.39,254.458 27.017,254.458 27.387,254.088 28.086,254.088 28.236,254.238 28.935,254.238 D603.2@28.968,254.27 29.035,254.337 29.035,254.361 29.132,254.458 29.669,254.458 29.7,254.489 31.575,254.489 32.049,254.962 32.049,255.003 32.533,255.488 32.67,255.488 32.767,255.391 32.767,254.783 X602.2@32.9,254.65 ; L604.4@25.76,253.093 25.9,252.953 L604.4@25.9,252.8
USBH4_D_CON_P: D603.1 L604.3 X602.3 | length 10.6
  Bottom Layer w0.165: L604.3@25.1,252.8 25.1,252.953 L604.3@25.24,253.093 ; L604.3@25.241,253.093 25.338,253.189 25.338,253.864 26.256,254.782 27.017,254.782 27.387,255.152 28.086,255.152 28.236,255.002 28.935,255.002 D603.1@28.968,254.97 29.035,254.902 29.035,254.879 29.132,254.782 29.534,254.782 29.565,254.814 31.44,254.814 31.724,255.097 31.724,255.137 32.399,255.812 32.67,255.812 32.767,255.909 32.767,256.517 X602.3@32.9,256.65
USBH4_D_N: L604.1 X1.100 | length 178.7
  Top Layer w0.165: v1(56,114.125) 56.102,114.125 56.314,114.337 57.736,114.337 57.756,114.317 58.432,114.317 X1.100@58.5,114.25
  Bottom Layer w0.165: L604.1@25.759,250.707 25.662,250.611 25.662,235.738 38.125,223.275 38.125,202.075 76.625,163.575 76.625,118.665 72.63,114.67 61.23,114.67 60.897,114.337 56.314,114.337 56.102,114.125 v1(56,114.125) ; L604.1@25.76,250.707 25.9,250.847 L604.1@25.9,251
USBH4_D_P: L604.2 X1.98 | length 178.7
  Top Layer w0.165: v1(56,114.875) 56.102,114.875 56.314,114.662 57.736,114.662 57.756,114.682 58.432,114.682 X1.98@58.5,114.75
  Bottom Layer w0.165: L604.2@25.1,251 25.1,250.847 L604.2@25.24,250.707 ; L604.2@25.241,250.707 25.338,250.611 25.338,235.603 37.8,223.14 37.8,201.94 76.3,163.44 76.3,118.8 72.495,114.995 61.095,114.995 60.762,114.662 59.6,114.662 59.434,114.662 59.267,114.662 cw(c59.267,114.829) 59.101,114.829 59.101,114.908 ccw(c58.934,114.908) 58.934,115.075 ccw(c58.934,114.908) 58.768,114.908 58.768,114.829 cw(c58.601,114.829) 58.601,114.662 58.435,114.662 58.3,114.662 56.314,114.662 56.102,114.875 v1(56,114.875)
USBH4_SSRX_N: D601.2 X1.92 X602.5 | length 193.8
  Top Layer w0.165: v1(56.714,116.375) 56.816,116.375 57.028,116.162 57.736,116.162 57.756,116.182 58.432,116.182 X1.92@58.5,116.25
  Bottom Layer w0.165: X602.5@30.5,259.65 30.402,259.552 29.649,259.552 28.879,258.783 28.639,258.783 28.543,258.88 28.543,258.882 D601.2@28.475,258.95 28.407,258.882 28.407,258.859 28.311,258.762 26.203,258.762 22.175,254.735 22.175,236.6 36.275,222.5 36.275,201.265 75.175,162.365 75.175,119.155 72.19,116.17 66.1,116.17 ; v1(56.714,116.375) 56.816,116.375 57.028,116.162 70.2,116.162
USBH4_SSRX_P: D601.1 X1.94 X602.6 | length 193.9
  Top Layer w0.165: v1(56.714,115.625) 56.816,115.625 57.028,115.837 57.736,115.837 57.756,115.817 58.432,115.817 X1.94@58.5,115.75
  Bottom Layer w0.165: X602.6@30.5,257.65 29.646,257.65 28.943,258.354 28.943,258.388 28.872,258.458 28.66,258.458 28.543,258.341 28.543,258.318 D601.1@28.475,258.25 28.407,258.318 28.407,258.341 28.311,258.438 26.338,258.438 22.5,254.6 22.5,236.735 36.6,222.635 36.6,201.4 75.5,162.5 75.5,119.02 72.325,115.845 66.1,115.845 ; v1(56.714,115.625) 56.816,115.625 57.028,115.837 70.2,115.837
USBH4_SSTX_N: D602.2 X1.104 X602.8 | length 193.5
  Top Layer w0.165: X1.104@58.5,113.25 58.568,113.182 59.244,113.182 59.264,113.162 60.396,113.162 63.086,113.162 63.298,113.375 v1(63.4,113.375)
  Bottom Layer w0.165: X602.8@30.5,253.65 30.452,253.602 29.649,253.602 28.943,252.896 28.943,252.883 28.872,252.812 28.639,252.812 28.543,252.909 28.543,252.932 D602.2@28.475,253 28.407,252.932 28.407,252.909 28.311,252.812 27.623,252.812 26.845,252.035 26.845,251.391 ccw(c27.094,251.391) 27.094,251.142 cw(c27.094,250.976) 27.26,250.976 cw(c27.094,250.976) 27.094,250.809 26.921,250.809 ccw(c26.921,250.318) 26.921,249.826 27.094,249.826 cw(c27.094,249.66) 27.26,249.66 cw(c27.094,249.66) 27.094,249.493 26.921,249.493 ccw(c26.921,249.002) 26.921,248.51 27.094,248.51 cw(c27.094,248.344) 27.26,248.344 cw(c27.094,248.344) 27.094,248.177 26.921,248.177 ccw(c26.921,247.686) 26.921,247.194 27.094,247.194 cw(c27.094,247.028) 27.26,247.028 cw(c27.094,247.028) 27.094,246.861 26.921,246.861 ccw(c26.921,246.37) 26.921,245.878 27.094,245.878 cw(c27.094,245.712) 27.26,245.712 cw(c27.094,245.712) 27.094,245.545 26.921,245.545 ccw(c26.921,245.054) 26.921,244.562 27.094,244.562 cw(c27.094,244.396) 27.26,244.396 cw(c27.094,244.396) 27.094,244.229 26.921,244.229 ccw(c26.921,243.738) 26.921,243.246 27.094,243.246 cw(c27.094,243.08) 27.26,243.08 cw(c27.094,243.08) 27.094,242.913 26.921,242.913 ccw(c26.921,242.422) 26.921,241.93 27.094,241.93 cw(c27.094,241.764) 27.26,241.764 cw(c27.094,241.764) 27.094,241.597 26.921,241.597 ccw(c26.921,241.106) 26.921,240.614 27.094,240.614 cw(c27.094,240.448) 27.26,240.448 cw(c27.094,240.448) 27.094,240.281 26.921,240.281 ccw(c26.921,239.79) 26.921,239.298 27.094,239.298 cw(c27.094,239.132) 27.26,239.132 cw(c27.094,239.132) 27.094,238.965 26.921,238.965 ccw(c26.921,238.474) 26.921,237.982 27.094,237.982 cw(c27.094,237.816) 27.26,237.816 cw(c27.094,237.816) 27.094,237.649 26.921,237.649 ccw(c26.921,237.158) 26.845,236.672 26.845,235.93 32.542,230.233 ccw(c32.718,230.41) 32.894,230.233 cw(c33.012,230.116) 33.129,230.233 cw(c33.012,230.116) 33.178,230.116 cw(c33.012,230.116) 33.13,229.998 33.007,229.875 ccw(c33.354,229.528) 33.007,229.18 ccw(c33.354,229.528) 33.644,229.131 39.375,223.4 39.375,203.365 77.5,165.24 77.5,118.307 72.367,113.174 67.506,113.174 67.495,113.162 63.714,113.162 63.502,113.375 v1(63.4,113.375)